# KiCad board ShinyAddOn_panel_1.kicad_pcb (continued)
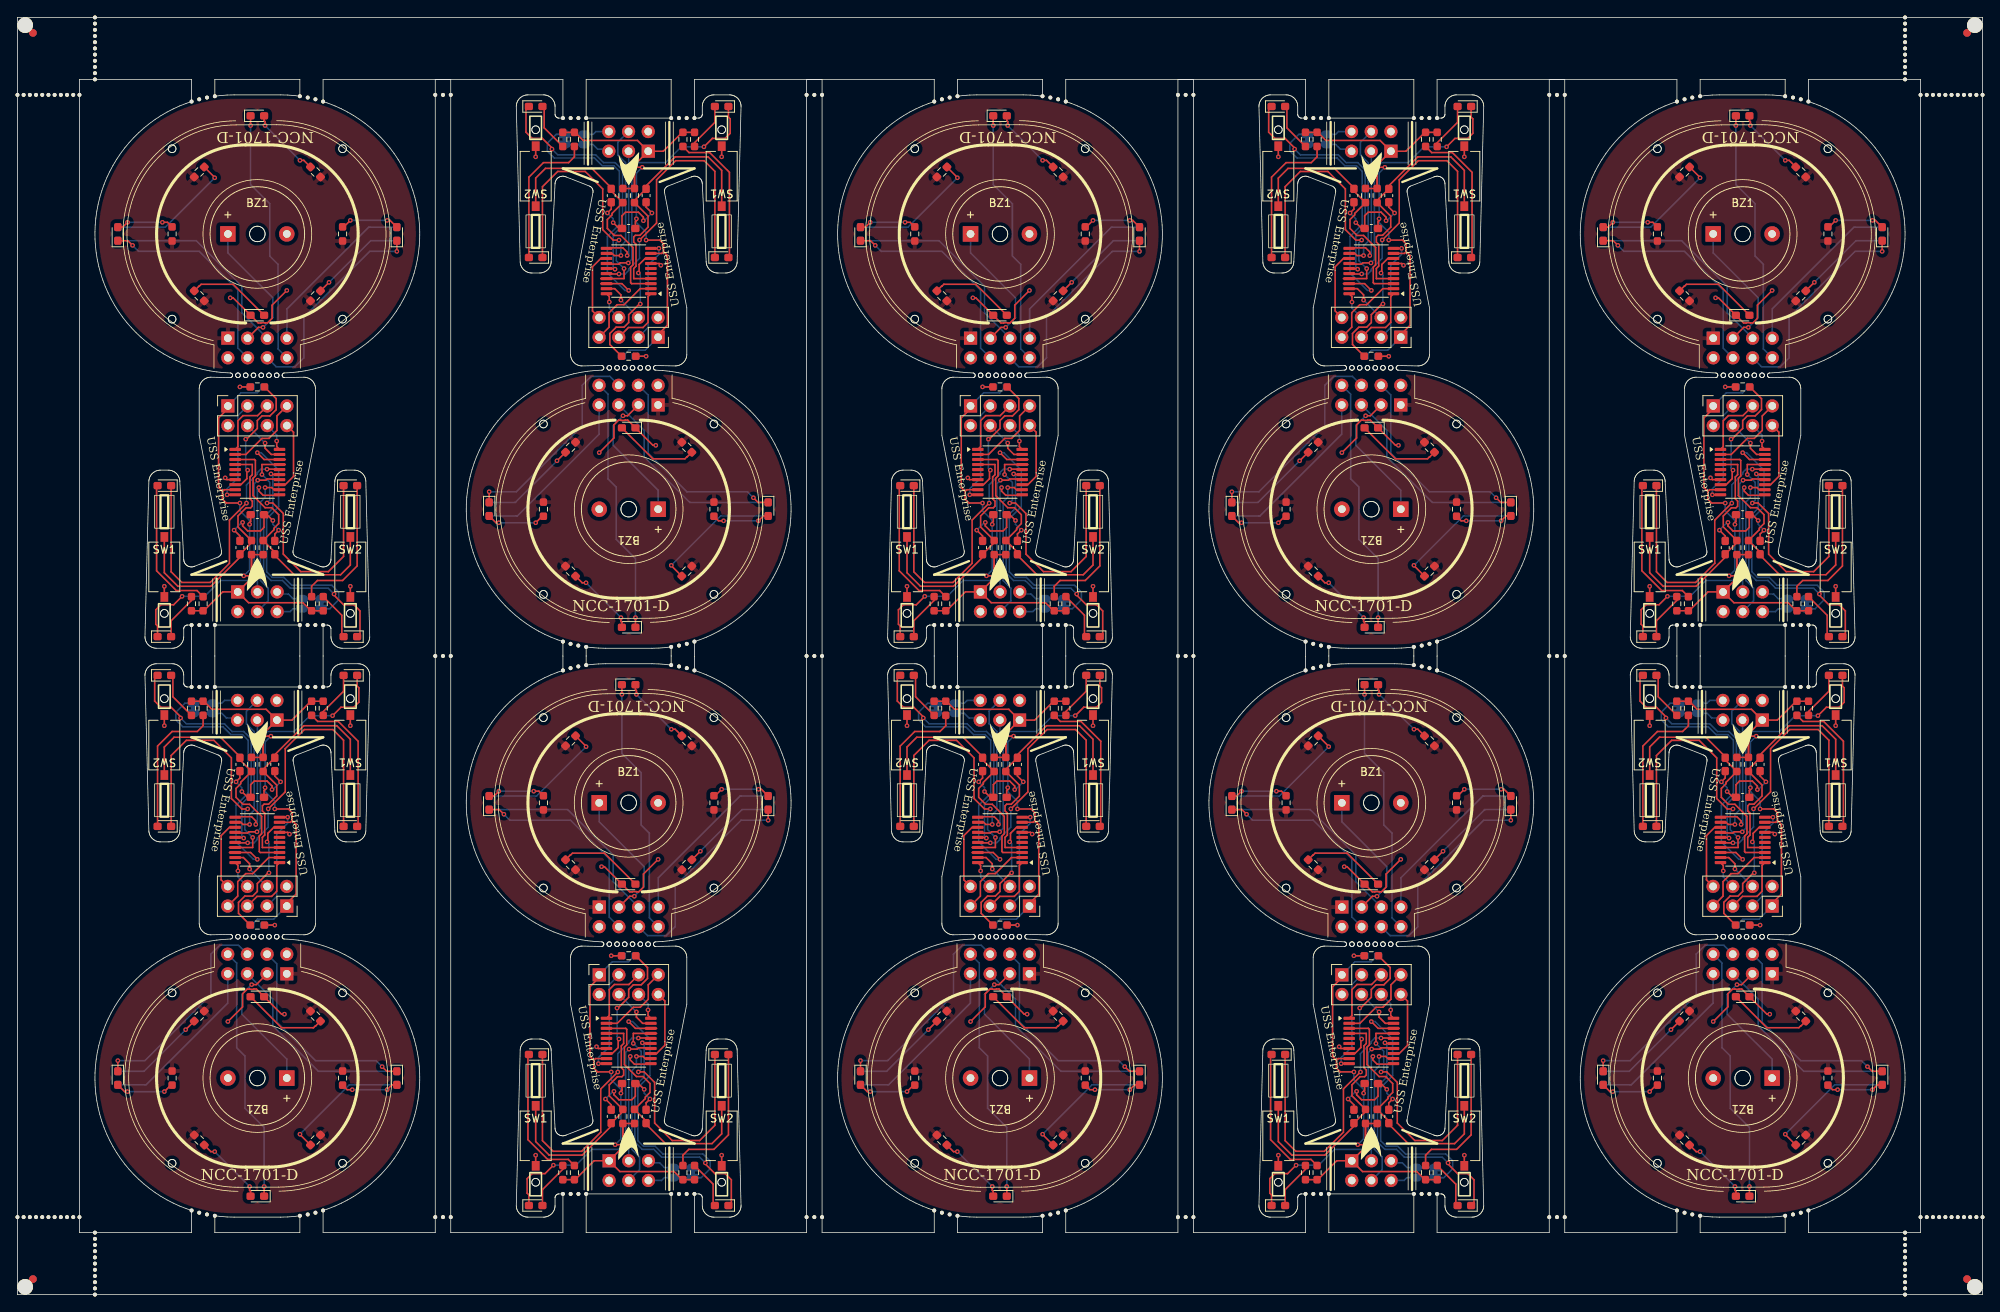
[diagram p0: board, top side]
## Placement (name value [footprint] x y rotation side) (continued)
KiKit_MB_11_3  -  [NPTH]  119.3 86.46 0 top
KiKit_MB_11_4  -  [NPTH]  118.3 86.46 0 top
KiKit_MB_12_1  -  [NPTH]  135.27 86.46 0 top
KiKit_MB_12_2  -  [NPTH]  134.27 86.46 0 top
KiKit_MB_12_3  -  [NPTH]  133.27 86.46 0 top
KiKit_MB_12_4  -  [NPTH]  132.27 86.46 0 top
KiKit_MB_13_1  -  [NPTH]  166.21 151.91 0 top
KiKit_MB_13_2  -  [NPTH]  167.21 151.91 0 top
KiKit_MB_13_3  -  [NPTH]  168.21 151.91 0 top
KiKit_MB_13_4  -  [NPTH]  169.21 151.91 0 top
KiKit_MB_14_1  -  [NPTH]  180.18 151.91 0 top
KiKit_MB_14_2  -  [NPTH]  181.18 151.91 0 top
KiKit_MB_14_3  -  [NPTH]  182.18 151.91 0 top
KiKit_MB_14_4  -  [NPTH]  183.18 151.91 0 top
KiKit_MB_15_1  -  [NPTH]  169.21 83.63 0 top
KiKit_MB_15_2  -  [NPTH]  168.2 83.8 0 top
KiKit_MB_15_3  -  [NPTH]  167.2 84.03 0 top
KiKit_MB_15_4  -  [NPTH]  166.21 84.32 0 top
KiKit_MB_16_1  -  [NPTH]  183.18 84.32 0 top
KiKit_MB_16_2  -  [NPTH]  182.2 84.03 0 top
KiKit_MB_16_3  -  [NPTH]  181.19 83.8 0 top
KiKit_MB_16_4  -  [NPTH]  180.18 83.63 0 top
KiKit_MB_17_1  -  [NPTH]  214.13 154.05 0 top
KiKit_MB_17_2  -  [NPTH]  215.11 154.34 0 top
KiKit_MB_17_3  -  [NPTH]  216.11 154.57 0 top
KiKit_MB_17_4  -  [NPTH]  217.13 154.74 0 top
KiKit_MB_18_1  -  [NPTH]  228.1 154.74 0 top
KiKit_MB_18_2  -  [NPTH]  229.11 154.57 0 top
KiKit_MB_18_3  -  [NPTH]  230.11 154.34 0 top
KiKit_MB_18_4  -  [NPTH]  231.1 154.05 0 top
KiKit_MB_19_1  -  [NPTH]  217.13 86.46 0 top
KiKit_MB_19_2  -  [NPTH]  216.13 86.46 0 top
KiKit_MB_19_3  -  [NPTH]  215.13 86.46 0 top
KiKit_MB_19_4  -  [NPTH]  214.13 86.46 0 top
KiKit_MB_20_1  -  [NPTH]  231.1 86.46 0 top
KiKit_MB_20_2  -  [NPTH]  230.1 86.46 0 top
KiKit_MB_20_3  -  [NPTH]  229.1 86.46 0 top
KiKit_MB_20_4  -  [NPTH]  228.1 86.46 0 top
KiKit_MB_21_1  -  [NPTH]  22.47 78.46 0 top
KiKit_MB_21_2  -  [NPTH]  23.47 78.46 0 top
KiKit_MB_21_3  -  [NPTH]  24.47 78.46 0 top
KiKit_MB_21_4  -  [NPTH]  25.47 78.46 0 top
KiKit_MB_22_1  -  [NPTH]  36.44 78.46 0 top
KiKit_MB_22_2  -  [NPTH]  37.44 78.46 0 top
KiKit_MB_22_3  -  [NPTH]  38.44 78.46 0 top
KiKit_MB_22_4  -  [NPTH]  39.44 78.46 0 top
KiKit_MB_23_1  -  [NPTH]  25.47 10.18 0 top
KiKit_MB_23_2  -  [NPTH]  24.46 10.35 0 top
KiKit_MB_23_3  -  [NPTH]  23.46 10.57 0 top
KiKit_MB_23_4  -  [NPTH]  22.47 10.86 0 top
KiKit_MB_24_1  -  [NPTH]  39.44 10.86 0 top
KiKit_MB_24_2  -  [NPTH]  38.45 10.57 0 top
KiKit_MB_24_3  -  [NPTH]  37.45 10.35 0 top
KiKit_MB_24_4  -  [NPTH]  36.44 10.18 0 top
KiKit_MB_25_1  -  [NPTH]  70.38 80.6 0 top
KiKit_MB_25_2  -  [NPTH]  71.37 80.88 0 top
KiKit_MB_25_3  -  [NPTH]  72.37 81.11 0 top
KiKit_MB_25_4  -  [NPTH]  73.38 81.28 0 top
KiKit_MB_26_1  -  [NPTH]  84.35 81.28 0 top
KiKit_MB_26_2  -  [NPTH]  85.37 81.11 0 top
KiKit_MB_26_3  -  [NPTH]  86.37 80.88 0 top
KiKit_MB_26_4  -  [NPTH]  87.35 80.6 0 top
KiKit_MB_27_1  -  [NPTH]  73.38 13 0 top
KiKit_MB_27_2  -  [NPTH]  72.38 13 0 top
KiKit_MB_27_3  -  [NPTH]  71.38 13 0 top
KiKit_MB_27_4  -  [NPTH]  70.38 13 0 top
KiKit_MB_28_1  -  [NPTH]  87.35 13 0 top
KiKit_MB_28_2  -  [NPTH]  86.35 13 0 top
KiKit_MB_28_3  -  [NPTH]  85.35 13 0 top
KiKit_MB_28_4  -  [NPTH]  84.35 13 0 top
KiKit_MB_29_1  -  [NPTH]  118.3 78.46 0 top
KiKit_MB_29_2  -  [NPTH]  119.3 78.46 0 top
KiKit_MB_29_3  -  [NPTH]  120.3 78.46 0 top
KiKit_MB_29_4  -  [NPTH]  121.3 78.46 0 top
KiKit_MB_30_1  -  [NPTH]  132.27 78.46 0 top
KiKit_MB_30_2  -  [NPTH]  133.27 78.46 0 top
KiKit_MB_30_3  -  [NPTH]  134.27 78.46 0 top
KiKit_MB_30_4  -  [NPTH]  135.27 78.46 0 top
KiKit_MB_31_1  -  [NPTH]  121.3 10.18 0 top
KiKit_MB_31_2  -  [NPTH]  120.29 10.35 0 top
KiKit_MB_31_3  -  [NPTH]  119.28 10.57 0 top
KiKit_MB_31_4  -  [NPTH]  118.3 10.86 0 top
KiKit_MB_32_1  -  [NPTH]  135.27 10.86 0 top
KiKit_MB_32_2  -  [NPTH]  134.28 10.57 0 top
KiKit_MB_32_3  -  [NPTH]  133.28 10.35 0 top
KiKit_MB_32_4  -  [NPTH]  132.27 10.18 0 top
KiKit_MB_33_1  -  [NPTH]  166.21 80.6 0 top
KiKit_MB_33_2  -  [NPTH]  167.2 80.88 0 top
KiKit_MB_33_3  -  [NPTH]  168.2 81.11 0 top
KiKit_MB_33_4  -  [NPTH]  169.21 81.28 0 top
KiKit_MB_34_1  -  [NPTH]  180.18 81.28 0 top
KiKit_MB_34_2  -  [NPTH]  181.19 81.11 0 top
KiKit_MB_34_3  -  [NPTH]  182.2 80.88 0 top
KiKit_MB_34_4  -  [NPTH]  183.18 80.6 0 top
KiKit_MB_35_1  -  [NPTH]  169.21 13 0 top
KiKit_MB_35_2  -  [NPTH]  168.21 13 0 top
KiKit_MB_35_3  -  [NPTH]  167.21 13 0 top
KiKit_MB_35_4  -  [NPTH]  166.21 13 0 top
KiKit_MB_36_1  -  [NPTH]  183.18 13 0 top
KiKit_MB_36_2  -  [NPTH]  182.18 13 0 top
KiKit_MB_36_3  -  [NPTH]  181.18 13 0 top
KiKit_MB_36_4  -  [NPTH]  180.18 13 0 top
KiKit_MB_37_1  -  [NPTH]  214.13 78.46 0 top
KiKit_MB_37_2  -  [NPTH]  215.13 78.46 0 top
KiKit_MB_37_3  -  [NPTH]  216.13 78.46 0 top
KiKit_MB_37_4  -  [NPTH]  217.13 78.46 0 top
KiKit_MB_38_1  -  [NPTH]  228.1 78.46 0 top
KiKit_MB_38_2  -  [NPTH]  229.1 78.46 0 top
KiKit_MB_38_3  -  [NPTH]  230.1 78.46 0 top
KiKit_MB_38_4  -  [NPTH]  231.1 78.46 0 top
KiKit_MB_39_1  -  [NPTH]  217.13 10.18 0 top
KiKit_MB_39_2  -  [NPTH]  216.11 10.35 0 top
KiKit_MB_39_3  -  [NPTH]  215.11 10.57 0 top
KiKit_MB_39_4  -  [NPTH]  214.13 10.86 0 top
KiKit_MB_40_1  -  [NPTH]  231.1 10.86 0 top
KiKit_MB_40_2  -  [NPTH]  230.11 10.57 0 top
KiKit_MB_40_3  -  [NPTH]  229.11 10.35 0 top
KiKit_MB_40_4  -  [NPTH]  228.1 10.18 0 top
KiKit_MB_41_1  -  [NPTH]  53.91 82.46 0 top
KiKit_MB_41_2  -  [NPTH]  54.91 82.46 0 top
KiKit_MB_41_3  -  [NPTH]  55.91 82.46 0 top
KiKit_MB_42_1  -  [NPTH]  55.91 10 0 top
KiKit_MB_42_2  -  [NPTH]  54.91 10 0 top
KiKit_MB_42_3  -  [NPTH]  53.91 10 0 top
KiKit_MB_43_1  -  [NPTH]  199.65 154.91 0 top
KiKit_MB_43_2  -  [NPTH]  198.65 154.91 0 top
KiKit_MB_43_3  -  [NPTH]  197.65 154.91 0 top
KiKit_MB_44_1  -  [NPTH]  199.65 82.46 0 top
KiKit_MB_44_2  -  [NPTH]  198.65 82.46 0 top
KiKit_MB_44_3  -  [NPTH]  197.65 82.46 0 top
KiKit_MB_45_1  -  [NPTH]  199.65 10 0 top
KiKit_MB_45_2  -  [NPTH]  198.65 10 0 top
KiKit_MB_45_3  -  [NPTH]  197.65 10 0 top
KiKit_MB_46_1  -  [NPTH]  149.74 82.46 0 top
KiKit_MB_46_2  -  [NPTH]  150.74 82.46 0 top
KiKit_MB_46_3  -  [NPTH]  151.74 82.46 0 top
KiKit_MB_47_1  -  [NPTH]  151.74 10 0 top
KiKit_MB_47_2  -  [NPTH]  150.74 10 0 top
KiKit_MB_47_3  -  [NPTH]  149.74 10 0 top
KiKit_MB_48_1  -  [NPTH]  101.83 82.46 0 top
KiKit_MB_48_2  -  [NPTH]  102.83 82.46 0 top
KiKit_MB_48_3  -  [NPTH]  103.83 82.46 0 top
KiKit_MB_49_1  -  [NPTH]  103.83 10 0 top
KiKit_MB_49_2  -  [NPTH]  102.83 10 0 top
KiKit_MB_49_3  -  [NPTH]  101.83 10 0 top
KiKit_MB_50_1  -  [NPTH]  55.91 154.91 0 top
KiKit_MB_50_2  -  [NPTH]  54.91 154.91 0 top
KiKit_MB_50_3  -  [NPTH]  53.91 154.91 0 top
KiKit_MB_51_1  -  [NPTH]  103.83 154.91 0 top
KiKit_MB_51_2  -  [NPTH]  102.83 154.91 0 top
KiKit_MB_51_3  -  [NPTH]  101.83 154.91 0 top
KiKit_MB_52_1  -  [NPTH]  151.74 154.91 0 top
KiKit_MB_52_2  -  [NPTH]  150.74 154.91 0 top
KiKit_MB_52_3  -  [NPTH]  149.74 154.91 0 top
KiKit_MB_53_1  -  [NPTH]  10 164.91 0 top
KiKit_MB_53_2  -  [NPTH]  10 164.11 0 top
KiKit_MB_53_3  -  [NPTH]  10 163.31 0 top
KiKit_MB_53_4  -  [NPTH]  10 162.51 0 top
KiKit_MB_53_5  -  [NPTH]  10 161.71 0 top
KiKit_MB_53_6  -  [NPTH]  10 160.91 0 top
KiKit_MB_53_7  -  [NPTH]  10 160.11 0 top
KiKit_MB_53_8  -  [NPTH]  10 159.31 0 top
KiKit_MB_53_9  -  [NPTH]  10 158.51 0 top
KiKit_MB_53_10  -  [NPTH]  10 157.71 0 top
KiKit_MB_53_11  -  [NPTH]  10 156.91 0 top
KiKit_MB_54_1  -  [NPTH]  243.57 164.91 0 top
KiKit_MB_54_2  -  [NPTH]  243.57 164.11 0 top
KiKit_MB_54_3  -  [NPTH]  243.57 163.31 0 top
KiKit_MB_54_4  -  [NPTH]  243.57 162.51 0 top
KiKit_MB_54_5  -  [NPTH]  243.57 161.71 0 top
KiKit_MB_54_6  -  [NPTH]  243.57 160.91 0 top
KiKit_MB_54_7  -  [NPTH]  243.57 160.11 0 top
KiKit_MB_54_8  -  [NPTH]  243.57 159.31 0 top
KiKit_MB_54_9  -  [NPTH]  243.57 158.51 0 top
KiKit_MB_54_10  -  [NPTH]  243.57 157.71 0 top
KiKit_MB_54_11  -  [NPTH]  243.57 156.91 0 top
KiKit_MB_55_1  -  [NPTH]  10 8 0 top
KiKit_MB_55_2  -  [NPTH]  10 7.2 0 top
KiKit_MB_55_3  -  [NPTH]  10 6.4 0 top
KiKit_MB_55_4  -  [NPTH]  10 5.6 0 top
KiKit_MB_55_5  -  [NPTH]  10 4.8 0 top
KiKit_MB_55_6  -  [NPTH]  10 4 0 top
KiKit_MB_55_7  -  [NPTH]  10 3.2 0 top
KiKit_MB_55_8  -  [NPTH]  10 2.4 0 top
KiKit_MB_55_9  -  [NPTH]  10 1.6 0 top
KiKit_MB_55_10  -  [NPTH]  10 0.8 0 top
KiKit_MB_55_11  -  [NPTH]  10 0 0 top
KiKit_MB_56_1  -  [NPTH]  243.57 8 0 top
KiKit_MB_56_2  -  [NPTH]  243.57 7.2 0 top
KiKit_MB_56_3  -  [NPTH]  243.57 6.4 0 top
KiKit_MB_56_4  -  [NPTH]  243.57 5.6 0 top
KiKit_MB_56_5  -  [NPTH]  243.57 4.8 0 top
KiKit_MB_56_6  -  [NPTH]  243.57 4 0 top
KiKit_MB_56_7  -  [NPTH]  243.57 3.2 0 top
KiKit_MB_56_8  -  [NPTH]  243.57 2.4 0 top
KiKit_MB_56_9  -  [NPTH]  243.57 1.6 0 top
KiKit_MB_56_10  -  [NPTH]  243.57 0.8 0 top
KiKit_MB_56_11  -  [NPTH]  243.57 0 0 top
KiKit_MB_57_1  -  [NPTH]  0 154.91 0 top
KiKit_MB_57_2  -  [NPTH]  0.8 154.91 0 top
KiKit_MB_57_3  -  [NPTH]  1.6 154.91 0 top
KiKit_MB_57_4  -  [NPTH]  2.4 154.91 0 top
KiKit_MB_57_5  -  [NPTH]  3.2 154.91 0 top
KiKit_MB_57_6  -  [NPTH]  4 154.91 0 top
KiKit_MB_57_7  -  [NPTH]  4.8 154.91 0 top
KiKit_MB_57_8  -  [NPTH]  5.6 154.91 0 top
KiKit_MB_57_9  -  [NPTH]  6.4 154.91 0 top
KiKit_MB_57_10  -  [NPTH]  7.2 154.91 0 top
KiKit_MB_57_11  -  [NPTH]  8 154.91 0 top
KiKit_MB_58_1  -  [NPTH]  0 10 0 top
KiKit_MB_58_2  -  [NPTH]  0.8 10 0 top
KiKit_MB_58_3  -  [NPTH]  1.6 10 0 top
KiKit_MB_58_4  -  [NPTH]  2.4 10 0 top
KiKit_MB_58_5  -  [NPTH]  3.2 10 0 top
KiKit_MB_58_6  -  [NPTH]  4 10 0 top
KiKit_MB_58_7  -  [NPTH]  4.8 10 0 top
KiKit_MB_58_8  -  [NPTH]  5.6 10 0 top
KiKit_MB_58_9  -  [NPTH]  6.4 10 0 top
KiKit_MB_58_10  -  [NPTH]  7.2 10 0 top
KiKit_MB_58_11  -  [NPTH]  8 10 0 top
KiKit_MB_59_1  -  [NPTH]  245.57 154.91 0 top
KiKit_MB_59_2  -  [NPTH]  246.37 154.91 0 top
KiKit_MB_59_3  -  [NPTH]  247.17 154.91 0 top
KiKit_MB_59_4  -  [NPTH]  247.97 154.91 0 top
KiKit_MB_59_5  -  [NPTH]  248.77 154.91 0 top
KiKit_MB_59_6  -  [NPTH]  249.57 154.91 0 top
KiKit_MB_59_7  -  [NPTH]  250.37 154.91 0 top
KiKit_MB_59_8  -  [NPTH]  251.17 154.91 0 top
KiKit_MB_59_9  -  [NPTH]  251.97 154.91 0 top
KiKit_MB_59_10  -  [NPTH]  252.77 154.91 0 top
KiKit_MB_59_11  -  [NPTH]  253.57 154.91 0 top
KiKit_MB_60_1  -  [NPTH]  245.57 10 0 top
KiKit_MB_60_2  -  [NPTH]  246.37 10 0 top
KiKit_MB_60_3  -  [NPTH]  247.17 10 0 top
KiKit_MB_60_4  -  [NPTH]  247.97 10 0 top
KiKit_MB_60_5  -  [NPTH]  248.77 10 0 top
KiKit_MB_60_6  -  [NPTH]  249.57 10 0 top
KiKit_MB_60_7  -  [NPTH]  250.37 10 0 top
KiKit_MB_60_8  -  [NPTH]  251.17 10 0 top
KiKit_MB_60_9  -  [NPTH]  251.97 10 0 top
KiKit_MB_60_10  -  [NPTH]  252.77 10 0 top
KiKit_MB_60_11  -  [NPTH]  253.57 10 0 top
KiKit_TO_1  -  [NPTH#2]  1 163.91 0 top
KiKit_TO_2  -  [NPTH#2]  252.57 163.91 0 top
KiKit_TO_3  -  [NPTH#2]  1 1 0 top
KiKit_TO_4  -  [NPTH#2]  252.57 1 0 top
R1  330  [R_0603_1608Metric_Pad0.98x0.95mm_HandSolder]  38.46 35.96 315 top
R1#2  330  [R_0603_1608Metric_Pad0.98x0.95mm_HandSolder]  182.2 109.41 315 top
R1#3  330  [R_0603_1608Metric_Pad0.98x0.95mm_HandSolder]  86.37 109.41 315 top
R1#4  330  [R_0603_1608Metric_Pad0.98x0.95mm_HandSolder]  215.11 128.96 135 top
R1#5  330  [R_0603_1608Metric_Pad0.98x0.95mm_HandSolder]  23.46 128.96 135 top
R1#6  330  [R_0603_1608Metric_Pad0.98x0.95mm_HandSolder]  167.2 55.5 135 top
R1#7  330  [R_0603_1608Metric_Pad0.98x0.95mm_HandSolder]  134.28 35.96 315 top
R1#8  330  [R_0603_1608Metric_Pad0.98x0.95mm_HandSolder]  119.28 128.96 135 top
R1#9  330  [R_0603_1608Metric_Pad0.98x0.95mm_HandSolder]  230.11 35.96 315 top
R1#10  330  [R_0603_1608Metric_Pad0.98x0.95mm_HandSolder]  71.37 55.5 135 top
R2  330  [R_0603_1608Metric_Pad0.98x0.95mm_HandSolder]  222.61 47.71 180 top
R2#2  330  [R_0603_1608Metric_Pad0.98x0.95mm_HandSolder]  30.96 117.21 0 top
R2#3  330  [R_0603_1608Metric_Pad0.98x0.95mm_HandSolder]  78.87 121.16 180 top
R2#4  330  [R_0603_1608Metric_Pad0.98x0.95mm_HandSolder]  78.87 43.75 0 top
R2#5  330  [R_0603_1608Metric_Pad0.98x0.95mm_HandSolder]  222.61 117.21 0 top
R2#6  330  [R_0603_1608Metric_Pad0.98x0.95mm_HandSolder]  126.78 117.21 0 top
R2#7  330  [R_0603_1608Metric_Pad0.98x0.95mm_HandSolder]  174.7 43.75 0 top
R2#8  330  [R_0603_1608Metric_Pad0.98x0.95mm_HandSolder]  30.96 47.71 180 top
R2#9  330  [R_0603_1608Metric_Pad0.98x0.95mm_HandSolder]  174.7 121.16 180 top
R2#10  330  [R_0603_1608Metric_Pad0.98x0.95mm_HandSolder]  126.78 47.71 180 top
R3  330  [R_0603_1608Metric_Pad0.98x0.95mm_HandSolder]  70.37 149.16 270 top
R3#2  330  [R_0603_1608Metric_Pad0.98x0.95mm_HandSolder]  183.2 15.75 90 top
R3#3  330  [R_0603_1608Metric_Pad0.98x0.95mm_HandSolder]  87.37 15.75 90 top
R3#4  330  [R_0603_1608Metric_Pad0.98x0.95mm_HandSolder]  39.46 89.21 90 top
R3#5  330  [R_0603_1608Metric_Pad0.98x0.95mm_HandSolder]  166.2 149.16 270 top
R3#6  330  [R_0603_1608Metric_Pad0.98x0.95mm_HandSolder]  231.11 89.21 90 top
R3#7  330  [R_0603_1608Metric_Pad0.98x0.95mm_HandSolder]  135.28 89.21 90 top
R3#8  330  [R_0603_1608Metric_Pad0.98x0.95mm_HandSolder]  22.46 75.71 270 top
R3#9  330  [R_0603_1608Metric_Pad0.98x0.95mm_HandSolder]  214.11 75.71 270 top
R3#10  330  [R_0603_1608Metric_Pad0.98x0.95mm_HandSolder]  118.28 75.71 270 top
R4  330  [R_0603_1608Metric_Pad0.98x0.95mm_HandSolder]  183.2 149.16 270 top
R4#2  330  [R_0603_1608Metric_Pad0.98x0.95mm_HandSolder]  70.37 15.75 90 top
R4#3  330  [R_0603_1608Metric_Pad0.98x0.95mm_HandSolder]  87.37 149.16 270 top
R4#4  330  [R_0603_1608Metric_Pad0.98x0.95mm_HandSolder]  135.28 75.71 270 top
R4#5  330  [R_0603_1608Metric_Pad0.98x0.95mm_HandSolder]  214.11 89.21 90 top
R4#6  330  [R_0603_1608Metric_Pad0.98x0.95mm_HandSolder]  118.28 89.21 90 top
R4#7  330  [R_0603_1608Metric_Pad0.98x0.95mm_HandSolder]  166.2 15.75 90 top
R4#8  330  [R_0603_1608Metric_Pad0.98x0.95mm_HandSolder]  22.46 89.21 90 top
R4#9  330  [R_0603_1608Metric_Pad0.98x0.95mm_HandSolder]  231.11 75.71 270 top
R4#10  330  [R_0603_1608Metric_Pad0.98x0.95mm_HandSolder]  39.46 75.71 270 top
R5  330  [R_0603_1608Metric_Pad0.98x0.95mm_HandSolder]  38.46 144.96 135 top
R5#2  330  [R_0603_1608Metric_Pad0.98x0.95mm_HandSolder]  71.37 93.41 315 top
R5#3  330  [R_0603_1608Metric_Pad0.98x0.95mm_HandSolder]  23.46 19.96 315 top
R5#4  330  [R_0603_1608Metric_Pad0.98x0.95mm_HandSolder]  215.11 19.96 315 top
R5#5  330  [R_0603_1608Metric_Pad0.98x0.95mm_HandSolder]  167.2 93.41 315 top
R5#6  330  [R_0603_1608Metric_Pad0.98x0.95mm_HandSolder]  182.2 71.5 135 top
R5#7  330  [R_0603_1608Metric_Pad0.98x0.95mm_HandSolder]  134.28 144.96 135 top
R5#8  330  [R_0603_1608Metric_Pad0.98x0.95mm_HandSolder]  119.28 19.96 315 top
R5#9  330  [R_0603_1608Metric_Pad0.98x0.95mm_HandSolder]  86.37 71.5 135 top
R5#10  330  [R_0603_1608Metric_Pad0.98x0.95mm_HandSolder]  230.11 144.96 135 top
R6  330  [R_0603_1608Metric_Pad0.98x0.95mm_HandSolder]  229.61 75.71 270 top
R6#2  330  [R_0603_1608Metric_Pad0.98x0.95mm_HandSolder]  37.96 75.71 270 top
R6#3  330  [R_0603_1608Metric_Pad0.98x0.95mm_HandSolder]  23.96 89.21 90 top
R6#4  330  [R_0603_1608Metric_Pad0.98x0.95mm_HandSolder]  167.7 15.75 90 top
R6#5  330  [R_0603_1608Metric_Pad0.98x0.95mm_HandSolder]  215.61 89.21 90 top
R6#6  330  [R_0603_1608Metric_Pad0.98x0.95mm_HandSolder]  85.87 149.16 270 top
R6#7  330  [R_0603_1608Metric_Pad0.98x0.95mm_HandSolder]  133.78 75.71 270 top
R6#8  330  [R_0603_1608Metric_Pad0.98x0.95mm_HandSolder]  119.78 89.21 90 top
R6#9  330  [R_0603_1608Metric_Pad0.98x0.95mm_HandSolder]  71.87 15.75 90 top
R6#10  330  [R_0603_1608Metric_Pad0.98x0.95mm_HandSolder]  181.7 149.16 270 top
R7  330  [R_0603_1608Metric_Pad0.98x0.95mm_HandSolder]  229.61 89.21 90 top
R7#2  330  [R_0603_1608Metric_Pad0.98x0.95mm_HandSolder]  119.78 75.71 270 top
R7#3  330  [R_0603_1608Metric_Pad0.98x0.95mm_HandSolder]  85.87 15.75 90 top
R7#4  330  [R_0603_1608Metric_Pad0.98x0.95mm_HandSolder]  167.7 149.16 270 top
R7#5  330  [R_0603_1608Metric_Pad0.98x0.95mm_HandSolder]  37.96 89.21 90 top
R7#6  330  [R_0603_1608Metric_Pad0.98x0.95mm_HandSolder]  181.7 15.75 90 top
R7#7  330  [R_0603_1608Metric_Pad0.98x0.95mm_HandSolder]  71.87 149.16 270 top
R7#8  330  [R_0603_1608Metric_Pad0.98x0.95mm_HandSolder]  23.96 75.71 270 top
R7#9  330  [R_0603_1608Metric_Pad0.98x0.95mm_HandSolder]  215.61 75.71 270 top
R7#10  330  [R_0603_1608Metric_Pad0.98x0.95mm_HandSolder]  133.78 89.21 90 top
R8  10k  [R_0603_1608Metric_Pad0.98x0.95mm_HandSolder]  223.36 96.46 90 top
R8#2  10k  [R_0603_1608Metric_Pad0.98x0.95mm_HandSolder]  173.95 141.91 270 top
R8#3  10k  [R_0603_1608Metric_Pad0.98x0.95mm_HandSolder]  221.86 68.46 270 top
R8#4  10k  [R_0603_1608Metric_Pad0.98x0.95mm_HandSolder]  31.71 96.46 90 top
R8#5  10k  [R_0603_1608Metric_Pad0.98x0.95mm_HandSolder]  78.12 141.91 270 top
R8#6  10k  [R_0603_1608Metric_Pad0.98x0.95mm_HandSolder]  127.53 96.46 90 top
R8#7  10k  [R_0603_1608Metric_Pad0.98x0.95mm_HandSolder]  126.03 68.46 270 top
R8#8  10k  [R_0603_1608Metric_Pad0.98x0.95mm_HandSolder]  79.62 23 90 top
R8#9  10k  [R_0603_1608Metric_Pad0.98x0.95mm_HandSolder]  175.45 23 90 top
R8#10  10k  [R_0603_1608Metric_Pad0.98x0.95mm_HandSolder]  30.21 68.46 270 top
R9  10k  [R_0603_1608Metric_Pad0.98x0.95mm_HandSolder]  31.71 68.46 270 top
R9#2  10k  [R_0603_1608Metric_Pad0.98x0.95mm_HandSolder]  221.86 96.46 90 top
R9#3  10k  [R_0603_1608Metric_Pad0.98x0.95mm_HandSolder]  127.53 68.46 270 top
R9#4  10k  [R_0603_1608Metric_Pad0.98x0.95mm_HandSolder]  173.95 23 90 top
R9#5  10k  [R_0603_1608Metric_Pad0.98x0.95mm_HandSolder]  78.12 23 90 top
R9#6  10k  [R_0603_1608Metric_Pad0.98x0.95mm_HandSolder]  175.45 141.91 270 top
R9#7  10k  [R_0603_1608Metric_Pad0.98x0.95mm_HandSolder]  79.62 141.91 270 top
R9#8  10k  [R_0603_1608Metric_Pad0.98x0.95mm_HandSolder]  223.36 68.46 270 top
R9#9  10k  [R_0603_1608Metric_Pad0.98x0.95mm_HandSolder]  30.21 96.46 90 top
R9#10  10k  [R_0603_1608Metric_Pad0.98x0.95mm_HandSolder]  126.03 96.46 90 top
R10  330  [R_0603_1608Metric_Pad0.98x0.95mm_HandSolder]  115.78 136.96 90 top
R10#2  330  [R_0603_1608Metric_Pad0.98x0.95mm_HandSolder]  163.7 63.5 90 top
R10#3  330  [R_0603_1608Metric_Pad0.98x0.95mm_HandSolder]  185.7 101.41 270 top
R10#4  330  [R_0603_1608Metric_Pad0.98x0.95mm_HandSolder]  137.78 27.96 270 top
R10#5  330  [R_0603_1608Metric_Pad0.98x0.95mm_HandSolder]  89.87 101.41 270 top
R10#6  330  [R_0603_1608Metric_Pad0.98x0.95mm_HandSolder]  211.61 136.96 90 top
R10#7  330  [R_0603_1608Metric_Pad0.98x0.95mm_HandSolder]  67.87 63.5 90 top
R10#8  330  [R_0603_1608Metric_Pad0.98x0.95mm_HandSolder]  41.96 27.96 270 top
R10#9  330  [R_0603_1608Metric_Pad0.98x0.95mm_HandSolder]  233.61 27.96 270 top
R10#10  330  [R_0603_1608Metric_Pad0.98x0.95mm_HandSolder]  19.96 136.96 90 top
R11  330  [R_0603_1608Metric_Pad0.98x0.95mm_HandSolder]  19.96 27.96 270 top
R11#2  330  [R_0603_1608Metric_Pad0.98x0.95mm_HandSolder]  137.78 136.96 90 top
R11#3  330  [R_0603_1608Metric_Pad0.98x0.95mm_HandSolder]  233.61 136.96 90 top
R11#4  330  [R_0603_1608Metric_Pad0.98x0.95mm_HandSolder]  115.78 27.96 270 top
R11#5  330  [R_0603_1608Metric_Pad0.98x0.95mm_HandSolder]  41.96 136.96 90 top
R11#6  330  [R_0603_1608Metric_Pad0.98x0.95mm_HandSolder]  89.87 63.5 90 top
R11#7  330  [R_0603_1608Metric_Pad0.98x0.95mm_HandSolder]  185.7 63.5 90 top
R11#8  330  [R_0603_1608Metric_Pad0.98x0.95mm_HandSolder]  67.87 101.41 270 top
R11#9  330  [R_0603_1608Metric_Pad0.98x0.95mm_HandSolder]  163.7 101.41 270 top
R11#10  330  [R_0603_1608Metric_Pad0.98x0.95mm_HandSolder]  211.61 27.96 270 top
R12  330  [R_0603_1608Metric_Pad0.98x0.95mm_HandSolder]  38.46 19.96 225 top
R12#2  330  [R_0603_1608Metric_Pad0.98x0.95mm_HandSolder]  119.28 144.96 45 top
R12#3  330  [R_0603_1608Metric_Pad0.98x0.95mm_HandSolder]  23.46 144.96 45 top
R12#4  330  [R_0603_1608Metric_Pad0.98x0.95mm_HandSolder]  134.28 19.96 225 top
R12#5  330  [R_0603_1608Metric_Pad0.98x0.95mm_HandSolder]  86.37 93.41 225 top
R12#6  330  [R_0603_1608Metric_Pad0.98x0.95mm_HandSolder]  167.2 71.5 45 top
R12#7  330  [R_0603_1608Metric_Pad0.98x0.95mm_HandSolder]  215.11 144.96 45 top
R12#8  330  [R_0603_1608Metric_Pad0.98x0.95mm_HandSolder]  182.2 93.41 225 top
R12#9  330  [R_0603_1608Metric_Pad0.98x0.95mm_HandSolder]  230.11 19.96 225 top
R12#10  330  [R_0603_1608Metric_Pad0.98x0.95mm_HandSolder]  71.37 71.5 45 top
R13  330  [R_0603_1608Metric_Pad0.98x0.95mm_HandSolder]  23.46 35.96 225 top
R13#2  330  [R_0603_1608Metric_Pad0.98x0.95mm_HandSolder]  230.11 128.96 45 top
R13#3  330  [R_0603_1608Metric_Pad0.98x0.95mm_HandSolder]  38.46 128.96 45 top
R13#4  330  [R_0603_1608Metric_Pad0.98x0.95mm_HandSolder]  215.11 35.96 225 top
R13#5  330  [R_0603_1608Metric_Pad0.98x0.95mm_HandSolder]  86.37 55.5 45 top
R13#6  330  [R_0603_1608Metric_Pad0.98x0.95mm_HandSolder]  134.28 128.96 45 top
R13#7  330  [R_0603_1608Metric_Pad0.98x0.95mm_HandSolder]  182.2 55.5 45 top
R13#8  330  [R_0603_1608Metric_Pad0.98x0.95mm_HandSolder]  167.2 109.41 225 top
R13#9  330  [R_0603_1608Metric_Pad0.98x0.95mm_HandSolder]  119.28 35.96 225 top
R13#10  330  [R_0603_1608Metric_Pad0.98x0.95mm_HandSolder]  71.37 109.41 225 top
SW1  SW_Push  [SW_Tactile_SPST_NO_Straight_CK_PTS636Sx25SMTRLFS]  210.61 93.96 270 top
SW1#2  SW_Push  [SW_Tactile_SPST_NO_Straight_CK_PTS636Sx25SMTRLFS]  114.78 93.96 270 top
SW1#3  SW_Push  [SW_Tactile_SPST_NO_Straight_CK_PTS636Sx25SMTRLFS]  18.96 93.96 270 top
SW1#4  SW_Push  [SW_Tactile_SPST_NO_Straight_CK_PTS636Sx25SMTRLFS]  234.61 70.96 90 top
SW1#5  SW_Push  [SW_Tactile_SPST_NO_Straight_CK_PTS636Sx25SMTRLFS]  42.96 70.96 90 top
SW1#6  SW_Push  [SW_Tactile_SPST_NO_Straight_CK_PTS636Sx25SMTRLFS]  162.7 20.5 270 top
SW1#7  SW_Push  [SW_Tactile_SPST_NO_Straight_CK_PTS636Sx25SMTRLFS]  66.87 20.5 270 top
SW1#8  SW_Push  [SW_Tactile_SPST_NO_Straight_CK_PTS636Sx25SMTRLFS]  90.87 144.41 90 top
SW1#9  SW_Push  [SW_Tactile_SPST_NO_Straight_CK_PTS636Sx25SMTRLFS]  186.7 144.41 90 top
SW1#10  SW_Push  [SW_Tactile_SPST_NO_Straight_CK_PTS636Sx25SMTRLFS]  138.78 70.96 90 top
SW2  SW_Push  [SW_Tactile_SPST_NO_Straight_CK_PTS636Sx25SMTRLFS]  66.87 144.41 90 top
SW2#2  SW_Push  [SW_Tactile_SPST_NO_Straight_CK_PTS636Sx25SMTRLFS]  90.87 20.5 270 top
SW2#3  SW_Push  [SW_Tactile_SPST_NO_Straight_CK_PTS636Sx25SMTRLFS]  234.61 93.96 270 top
SW2#4  SW_Push  [SW_Tactile_SPST_NO_Straight_CK_PTS636Sx25SMTRLFS]  138.78 93.96 270 top
SW2#5  SW_Push  [SW_Tactile_SPST_NO_Straight_CK_PTS636Sx25SMTRLFS]  42.96 93.96 270 top
SW2#6  SW_Push  [SW_Tactile_SPST_NO_Straight_CK_PTS636Sx25SMTRLFS]  186.7 20.5 270 top
SW2#7  SW_Push  [SW_Tactile_SPST_NO_Straight_CK_PTS636Sx25SMTRLFS]  114.78 70.96 90 top
SW2#8  SW_Push  [SW_Tactile_SPST_NO_Straight_CK_PTS636Sx25SMTRLFS]  162.7 144.41 90 top
SW2#9  SW_Push  [SW_Tactile_SPST_NO_Straight_CK_PTS636Sx25SMTRLFS]  210.61 70.96 90 top
SW2#10  SW_Push  [SW_Tactile_SPST_NO_Straight_CK_PTS636Sx25SMTRLFS]  18.96 70.96 90 top
U1  CH32V003FxPx  [TSSOP-20_4.4x6.5mm_P0.65mm]  78.87 132.16 180 top
U1#2  CH32V003FxPx  [TSSOP-20_4.4x6.5mm_P0.65mm]  30.96 58.71 180 top
U1#3  CH32V003FxPx  [TSSOP-20_4.4x6.5mm_P0.65mm]  126.78 106.21 0 top
U1#4  CH32V003FxPx  [TSSOP-20_4.4x6.5mm_P0.65mm]  30.96 106.21 0 top
U1#5  CH32V003FxPx  [TSSOP-20_4.4x6.5mm_P0.65mm]  78.87 32.75 0 top
U1#6  CH32V003FxPx  [TSSOP-20_4.4x6.5mm_P0.65mm]  222.61 58.71 180 top
U1#7  CH32V003FxPx  [TSSOP-20_4.4x6.5mm_P0.65mm]  174.7 132.16 180 top
U1#8  CH32V003FxPx  [TSSOP-20_4.4x6.5mm_P0.65mm]  126.78 58.71 180 top
U1#9  CH32V003FxPx  [TSSOP-20_4.4x6.5mm_P0.65mm]  222.61 106.21 0 top
U1#10  CH32V003FxPx  [TSSOP-20_4.4x6.5mm_P0.65mm]  174.7 32.75 0 top

## Library data of the parts
BZ1 BZ1#2-BZ1#10 = -: Description: Buzzer, polarized
C1 C1#2-C1#10 C2 C2#2-C2#10 C3 C3#2-C3#10 = -: Description: Unpolarized capacitor
D1 D1#2-D1#10 D2 D2#2-D2#10 D3 D3#2-D3#10 D4 D4#2-D4#10 D5 D5#2-D5#10 D6 D6#2-D6#10 D7 D7#2-D7#10 D8 D8#2-D8#10 D9 D9#2-D9#10 D10 D10#2-D10#10 D11 D11#2-D11#10 = -: Description: Light emitting diode
J1 J1#2-J1#10 J4 J4#2-J4#10 = -: Description: Generic connector, double row, 02x04, odd/even pin numbering scheme (row 1 odd numbers, row 2 even numbers), script generated (kicad-library-utils/schlib/autogen/connector/)
J3 J3#2-J3#10 = -: Description: Generic connector, single row, 01x02, script generated
J5 J5#2-J5#10 = -: Description: Generic connector, double row, 02x03, odd/even pin numbering scheme (row 1 odd numbers, row 2 even numbers), script generated (kicad-library-utils/schlib/autogen/connector/)
JP1 JP1#2-JP1#10 = -: Description: Jumper, 2-pole, closed/bridged
R1 R1#2-R1#10 R2 R2#2-R2#10 R3 R3#2-R3#10 R4 R4#2-R4#10 R5 R5#2-R5#10 R6 R6#2-R6#10 R7 R7#2-R7#10 R8 R8#2-R8#10 R9 R9#2-R9#10 R10 R10#2-R10#10 R11 R11#2-R11#10 R12 R12#2-R12#10 R13 R13#2-R13#10 = -: Description: Resistor
SW1 SW1#2-SW1#10 SW2 SW2#2-SW2#10 = -: Description: Push button switch, generic, two pins
U1 U1#2-U1#10 = -: Datasheet: https://www.wch-ic.com/products/CH32V003.html; Description: CH32V003 series are industrial-grade general-purpose microcontrollers designed based on 32-bit RISC-V instruction set and architecture. It adopts QingKe V2A core, RV32EC instruction set, and supports 2 levels of interrupt nesting. The series are mounted with rich peripheral interfaces and function modules. Its internal organizational structure meets the low-cost and low-power embedded application scenarios.

## Footprints (pads in the part's own frame, mm; a bottom-side part is the same pattern mirrored in y, then rotated)
Buzzer_12x9.5RM7.6
  rect 2x2 hole 1: 1(0,0)
  round 2 hole 1: 2(7.6,0)
C_0603_1608Metric_Pad1.08x0.95mm_HandSolder
  rrect 1.075x0.95 smd: 1(-0.863,0) 2(0.863,0)
Fiducial
  round 1 smd: (0,0)
LED_0603_1608Metric_Pad1.05x0.95mm_HandSolder
  rrect 1.05x0.95 smd: 1(-0.875,0) 2(0.875,0)
NPTH
  round 0.5 hole 0.5 unplated: (0,0)
NPTH#2
  round 2 hole 2 unplated: (0,0)
PinHeader_2x03_P2.54mm_Vertical
  rect 1.7x1.7 hole 1: 1(0,0)
  oval 1.7x1.7 hole 1: 2(2.54,0) 3(0,-2.54) 4(2.54,-2.54) 5(0,-5.08) 6(2.54,-5.08)
PinHeader_2x04_P2.54mm_Vertical
  rect 1.7x1.7 hole 1: 1(0,0)
  oval 1.7x1.7 hole 1: 2(2.54,0) 3(0,-2.54) 4(2.54,-2.54) 5(0,-5.08) 6(2.54,-5.08) 7(0,-7.62) 8(2.54,-7.62)
PinSocket_2x04_P2.54mm_Vertical
  rect 1.7x1.7 hole 1: 1(0,0)
  oval 1.7x1.7 hole 1: 2(-2.54,0) 3(0,-2.54) 4(-2.54,-2.54) 5(0,-5.08) 6(-2.54,-5.08) 7(0,-7.62) 8(-2.54,-7.62)
R_0603_1608Metric_Pad0.98x0.95mm_HandSolder
  rrect 0.975x0.95 smd: 1(-0.912,0) 2(0.912,0)
SolderJumper-2_P1.3mm_Bridged_RoundedPad1.0x1.5mm
  custom 1x1.5 smd: 1(-0.65,0) 2(0.65,0)
SolderJumper-2_P1.3mm_Open_RoundedPad1.0x1.5mm
  custom 1x1.5 smd: 1(-0.65,0) 2(0.65,0)
SW_Tactile_SPST_NO_Straight_CK_PTS636Sx25SMTRLFS
  rect 1.25x1 smd: 1(-3.875,0) 2(3.875,0)
TSSOP-20_4.4x6.5mm_P0.65mm
  rrect 1.475x0.4 smd: 1(-2.862,2.925) 2(-2.862,2.275) 3(-2.862,1.625) 4(-2.862,0.975) 5(-2.862,0.325) 6(-2.862,-0.325) 7(-2.862,-0.975) 8(-2.862,-1.625) 9(-2.862,-2.275) 10(-2.862,-2.925) 11(2.862,-2.925) 12(2.862,-2.275) 13(2.862,-1.625) 14(2.862,-0.975) 15(2.862,-0.325) 16(2.862,0.325) 17(2.862,0.975) 18(2.862,1.625) 19(2.862,2.275) 20(2.862,2.925)

## Nets
Board_0-/blue gondeln left: D4#7.1 U1#4.14
Board_0-/blue gondeln right: D3.1 U1#4.15
Board_0-/blue_front: D5#10.1 J1#5.8 J4#2.8 U1#4.13
Board_0-/buzzer: BZ1#9.1 J1#5.3 J4#2.3 U1#4.10
Board_0-/GPIO1: J3#3.2 J5#3.5 JP1#6.1
Board_0-/GPIO2: J3#3.1 J5#3.6
Board_0-/LED dish bottom l: D10#2.1 J1#5.5 J4#2.5 U1#4.1
Board_0-/LED dish bottom r: D11#10.1 J1#5.7 J4#2.7 U1#4.2
Board_0-/LED dish top left: D8#5.1 J1#5.4 J4#2.4 U1#4.19
Board_0-/LED dish top right: D9#7.1 J1#5.6 J4#2.6 U1#4.20
Board_0-/red_gondeln_left: D6#9.1 U1#4.16
Board_0-/red_gondeln_right: D7#3.1 U1#4.17
Board_0-/SCL: J5#3.4 U1#4.12
Board_0-/SDA: J5#3.3 U1#4.11
Board_0-/sw1: C1#3.1 R9#9.2 SW1#3.1 U1#4.4
Board_0-/sw2: C2#5.1 R8#4.2 SW2#5.1 U1#4.3
Board_0-GND: BZ1#9.2 C1#3.2 C2#5.2 C3#9.2 D1#8.1 J1#5.2 J4#2.2 J5#3.2 SW1#3.2 SW2#5.2 U1#4.7
Board_0-Net-(D1-A): D1#8.2 R1#5.2
Board_0-Net-(D2-K): D2#4.1 R2#2.1
Board_0-Net-(D3-A): D3.2 R3#4.2
Board_0-Net-(D4-A): D4#7.2 R4#8.2
Board_0-Net-(D5-A): D5#10.2 R5.2
Board_0-Net-(D6-A): D6#9.2 R6#3.2
Board_0-Net-(D7-A): D7#3.2 R7#5.2
Board_0-Net-(D8-A): D8#5.2 R10#10.2
Board_0-Net-(D9-A): D9#7.2 R11#5.2
Board_0-Net-(D10-A): D10#2.2 R12#3.2
Board_0-Net-(D11-A): D11#10.2 R13#3.2
Board_0-Net-(JP1-B): JP1#6.2 U1#4.18
Board_0-Net-(U1-PD0): R2#2.2 U1#4.8
Board_0-unconnected-(U1-PA1-Pad5): U1#4.5
Board_0-unconnected-(U1-PA2-Pad6): U1#4.6
Board_0-VCC: C3#9.1 D2#4.2 J1#5.1 J4#2.1 J5#3.1 R1#5.1 R3#4.1 R4#8.1 R5.1 R6#3.1 R7#5.1 R8#4.1 R9#9.1 R10#10.1 R11#5.1 R12#3.1 R13#3.1 U1#4.9
Board_1-/blue gondeln left: D4#8.1 U1.14
Board_1-/blue gondeln right: D3#10.1 U1.15
Board_1-/blue_front: D5#6.1 J1#3.8 J4#5.8 U1.13
Board_1-/buzzer: BZ1#8.1 J1#3.3 J4#5.3 U1.10
Board_1-/GPIO1: J3#7.2 J5#2.5 JP1#2.1
Board_1-/GPIO2: J3#7.1 J5#2.6
Board_1-/LED dish bottom l: D10.1 J1#3.5 J4#5.5 U1.1
Board_1-/LED dish bottom r: D11#6.1 J1#3.7 J4#5.7 U1.2
Board_1-/LED dish top left: D8#2.1 J1#3.4 J4#5.4 U1.19
Board_1-/LED dish top right: D9#3.1 J1#3.6 J4#5.6 U1.20
Board_1-/red_gondeln_left: D6.1 U1.16
Board_1-/red_gondeln_right: D7.1 U1.17
Board_1-/SCL: J5#2.4 U1.12
Board_1-/SDA: J5#2.3 U1.11
Board_1-/sw1: C1#10.1 R9#7.2 SW1#8.1 U1.4
Board_1-/sw2: C2#7.1 R8#5.2 SW2.1 U1.3
Board_1-GND: BZ1#8.2 C1#10.2 C2#7.2 C3#3.2 D1#2.1 J1#3.2 J4#5.2 J5#2.2 SW1#8.2 SW2.2 U1.7
Board_1-Net-(D1-A): D1#2.2 R1#3.2
Board_1-Net-(D2-K): D2#6.1 R2#3.1
Board_1-Net-(D3-A): D3#10.2 R3.2
Board_1-Net-(D4-A): D4#8.2 R4#3.2
Board_1-Net-(D5-A): D5#6.2 R5#2.2
Board_1-Net-(D6-A): D6.2 R6#6.2
Board_1-Net-(D7-A): D7.2 R7#7.2
Board_1-Net-(D8-A): D8#2.2 R10#5.2
Board_1-Net-(D9-A): D9#3.2 R11#8.2
Board_1-Net-(D10-A): D10.2 R12#5.2
Board_1-Net-(D11-A): D11#6.2 R13#10.2
Board_1-Net-(JP1-B): JP1#2.2 U1.18
Board_1-Net-(U1-PD0): R2#3.2 U1.8
Board_1-unconnected-(U1-PA1-Pad5): U1.5
Board_1-unconnected-(U1-PA2-Pad6): U1.6
Board_1-VCC: C3#3.1 D2#6.2 J1#3.1 J4#5.1 J5#2.1 R1#3.1 R3.1 R4#3.1 R5#2.1 R6#6.1 R7#7.1 R8#5.1 R9#7.1 R10#5.1 R11#8.1 R12#5.1 R13#10.1 U1.9
Board_2-/blue gondeln left: D4#10.1 U1#3.14
Board_2-/blue gondeln right: D3#2.1 U1#3.15
Board_2-/blue_front: D5.1 J1#8.8 J4.8 U1#3.13
Board_2-/buzzer: BZ1#6.1 J1#8.3 J4.3 U1#3.10
Board_2-/GPIO1: J3.2 J5#8.5 JP1#9.1
Board_2-/GPIO2: J3.1 J5#8.6
